# Altium PCB MP3_Player.PcbDoc (part 1 of 2)
Units mm, origin at the board's own origin, x right, y up, seen from the top; angles counter-clockwise.
Board outline 85 x 56 mm, 2 copper layers (Top Layer, Bottom Layer), stack 1.671 mm thick; 190 components, 122 nets, 601 pads, 193 vias.
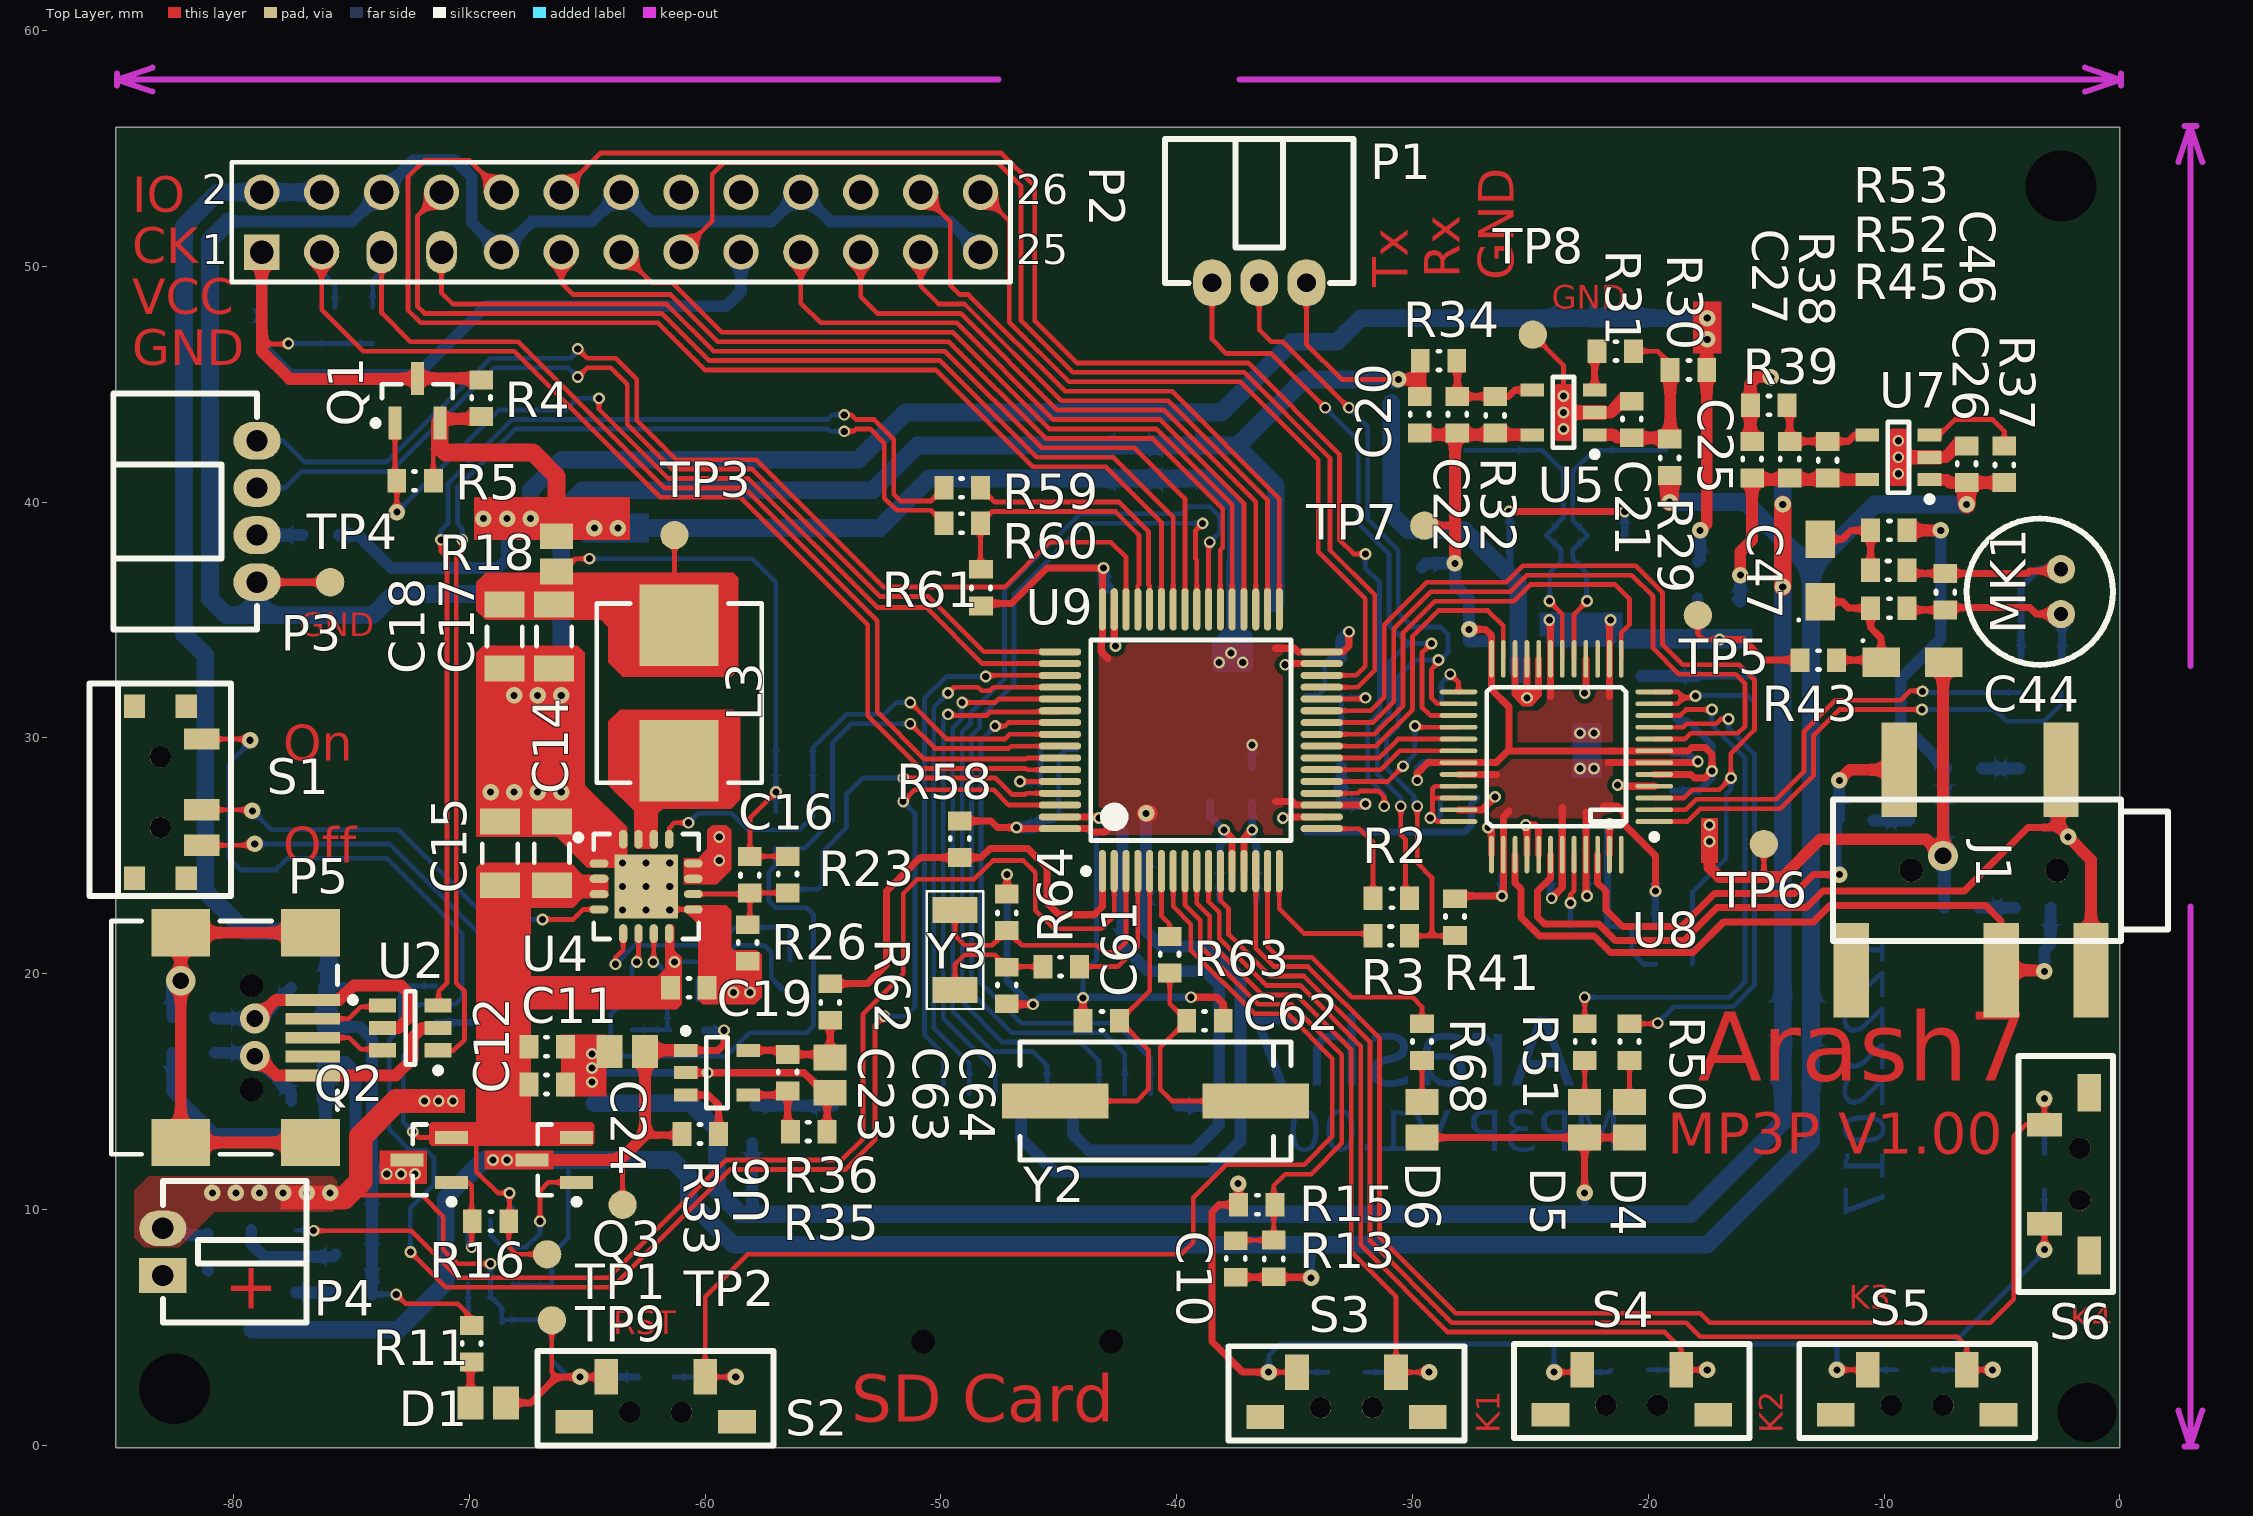
[diagram p0: Top Layer view]
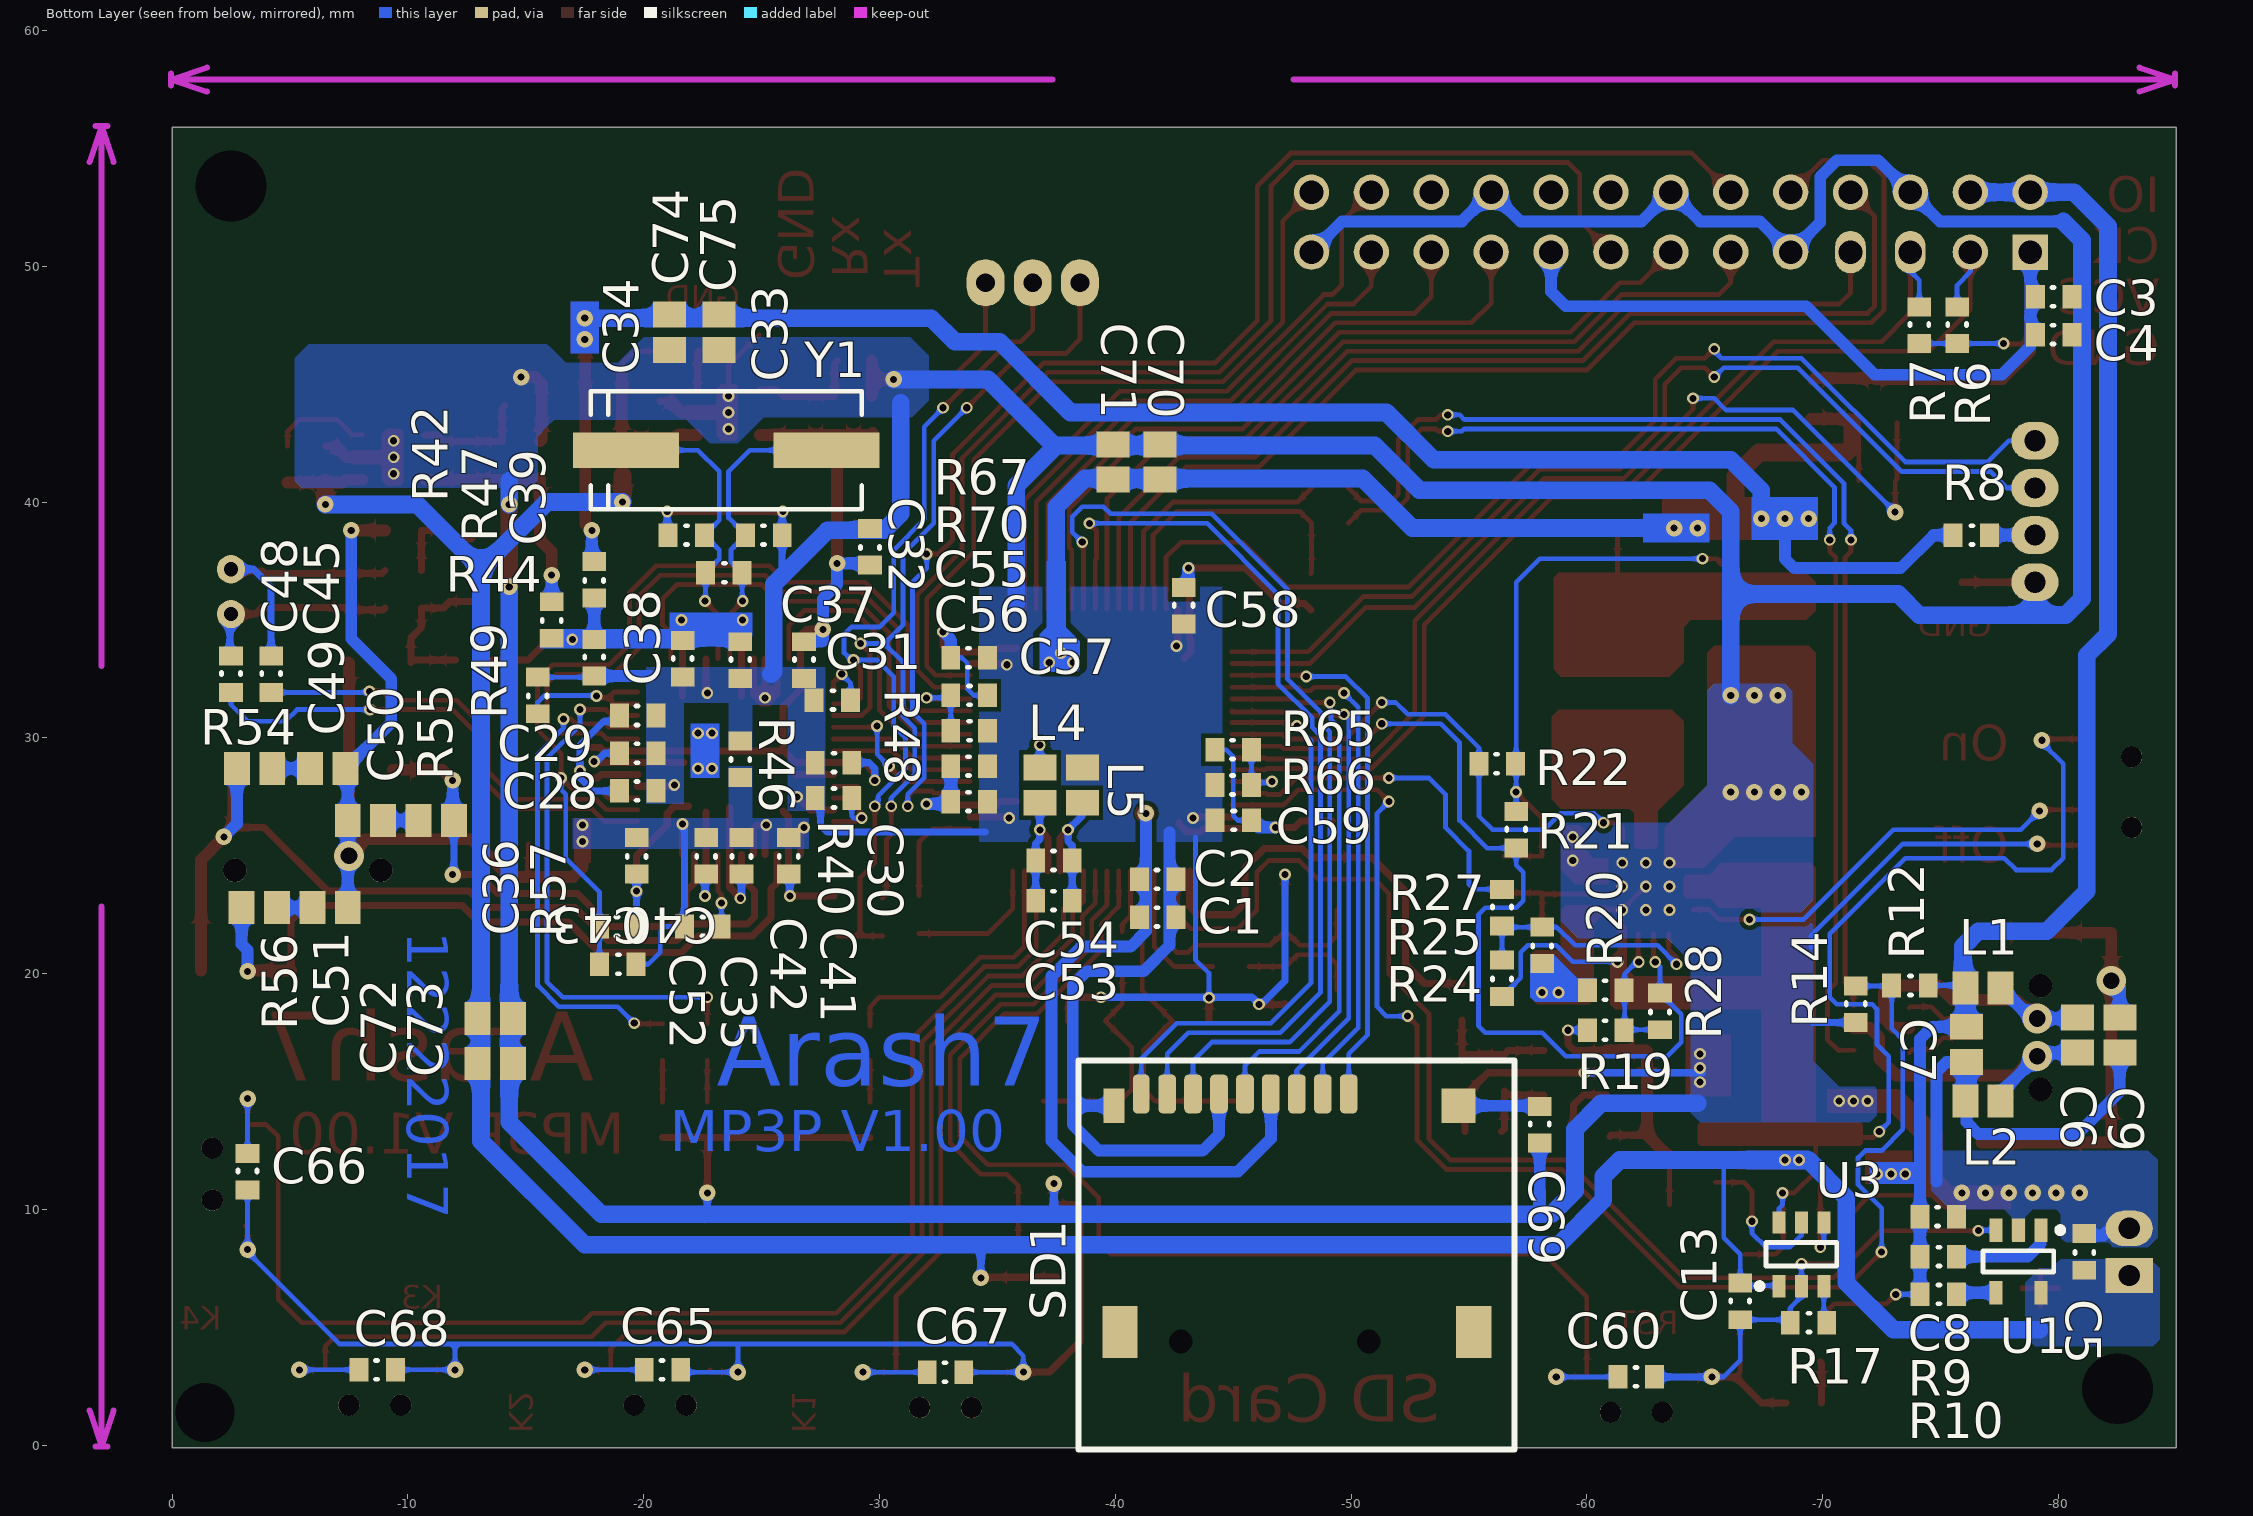
[diagram p1: Bottom Layer view, seen from below]
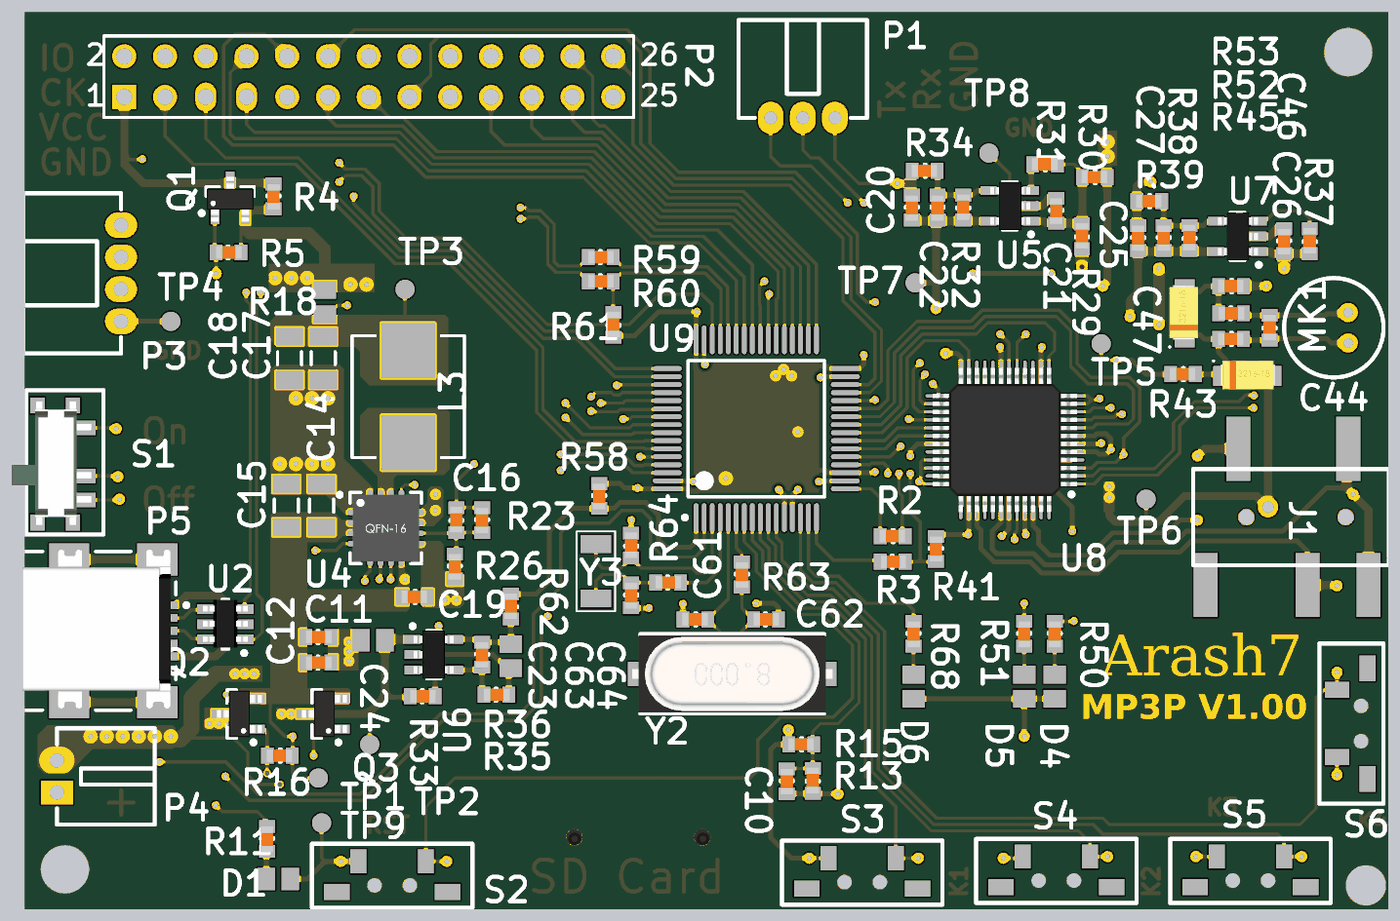
[diagram p3: 3D render of the assembled board from above, using the file's embedded part models]
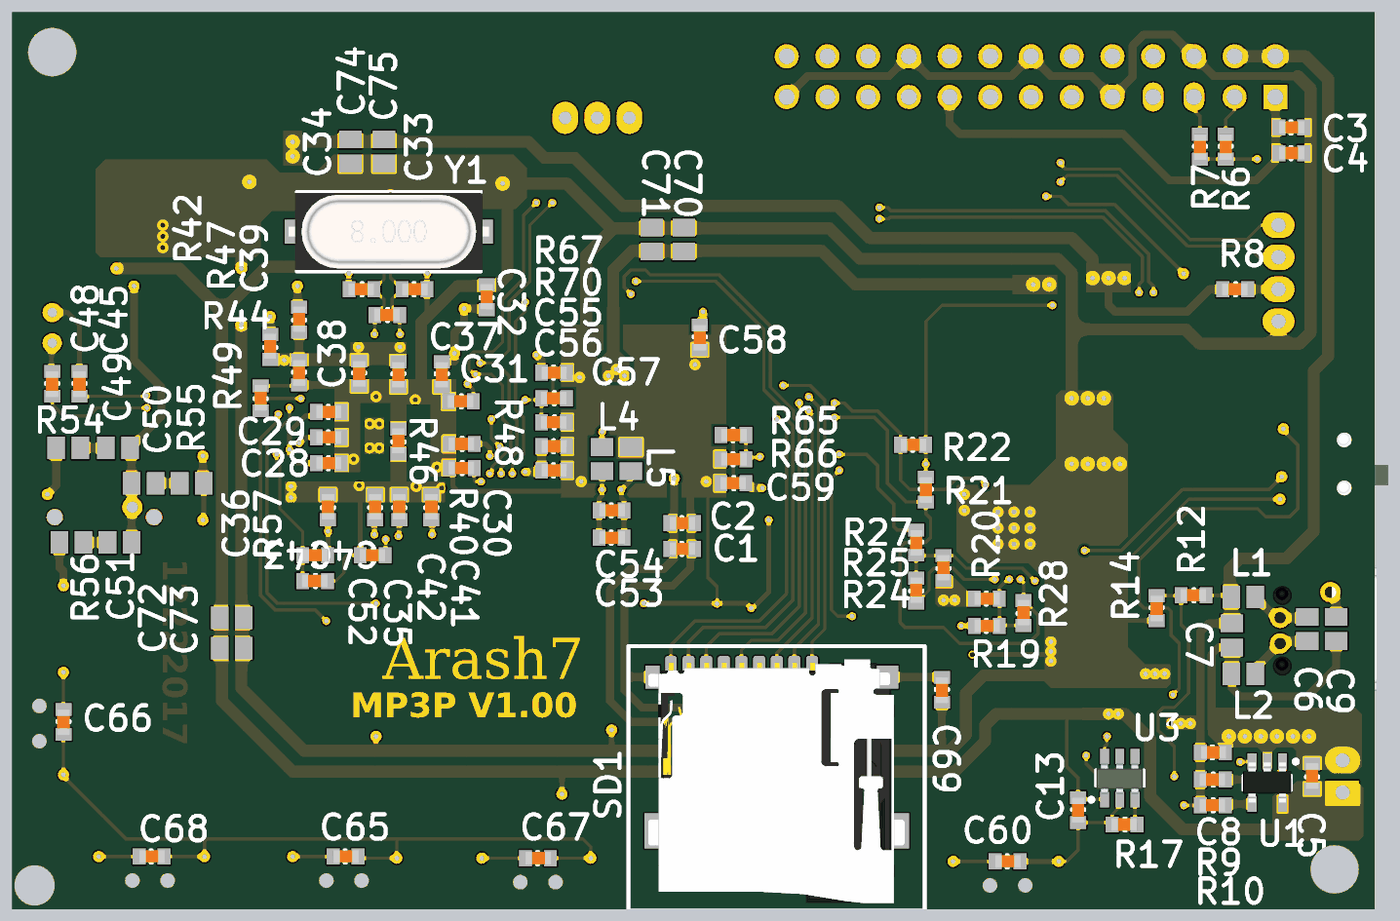
[diagram p4: 3D render of the assembled board from below, using the file's embedded part models]

## Layer stack, top to bottom
Top Solder: solder mask 0.0102, Solder Resist, Dk 3.5
Top Layer: signal copper 0.0356
Dielectric 1: dielectric 1.6, FR-4, Dk 4.8
Bottom Layer: signal copper 0.0356
Bottom Solder: solder mask 0.0102, Solder Resist, Dk 3.5

## Board outline
-85,-0.1 0,-0.1 0,55.9 -85,55.9

## Design rules (kind name [scope] priority, off if disabled: settings)
Clearance Polygon_Clearance [InPolygon] p1: gap=0.2
Clearance [All] p2: gap=0.2
DiffPairsRouting [All] p1: maxlimit=0.254 minlimit=0.254 mostfreqgap=0.2 toplayer_minwidth=0.2 toplayer_maxwidth=0.2 toplayer_prefwidth=0.2 bottomlayer_minwidth=0.2 bottomlayer_maxwidth=0.2 bottomlayer_prefwidth=0.2 maxuncoupledlength=12.7
PolygonConnect [All] p1: connectstyle=Direct reliefconductorwidth=0.254 reliefentries=4 polygonreliefangle="90 Angle" airgapwidth=0.254
RoomDefinition µC [InComponentClass('µC')] p1: confinementstyle=ConfineOut formatcopy=TRUE lockcomponents=FALSE outline 11.943,46.422 249.814,46.422 249.814,62.678 11.943,62.678
RoomDefinition VS1063 [InComponentClass('VS1063')] p2: confinementstyle=ConfineOut formatcopy=TRUE lockcomponents=FALSE outline 12,30.198 303.719,30.198 303.719,46.2 12,46.2
RoomDefinition Regulator [InComponentClass('Regulator')] p3: confinementstyle=ConfineOut formatcopy=TRUE lockcomponents=FALSE outline 11.943,12.386 260.99,12.386 260.99,30.166 11.943,30.166
RoomDefinition Power [InComponentClass('Power')] p4: confinementstyle=ConfineOut formatcopy=TRUE lockcomponents=FALSE outline 12,-2 161.606,-2 161.606,12.097 12,12.097
RoomDefinition Interfaces [InComponentClass('Interfaces')] p5: confinementstyle=ConfineOut formatcopy=TRUE lockcomponents=FALSE outline 12,-42.205 126.3,-42.205 126.3,-2.2 12,-2.2
RoutingVias [All] p1: holewidth=0.711 width=1.27 viastyle="Through Hole" minholewidth=0.711 minwidth=1.27 maxholewidth=0.711 maxwidth=1.27
SolderMaskExpansion [All] p1: expansion=0.102
Width [All] p1: maxlimit=2 minlimit=0.2 preferedwidth=0.2
29 further rules are at their usual default settings.

## Classes and differential pairs
component class µC: C53 C54 C55 C56 C57 C58 C59 C60 C61 C62 C63 C64 C65 C66 C67 C68 C70 C71 D6 L4 L5 R58 R59 R60 R61 R62 R63 R64 R65 R66 R67 R68 R70 S2 S3 S4 S5 S6 TP8 U9 Y2 Y3
component class VS1063: C28 C29 C30 C31 C32 C33 C34 C35 C36 C37 C38 C39 C40 C41 C42 C43 C44 C45 C46 C47 C48 C49 C50 C51 C52 C72 C73 C74 C75 D4 D5 MK1 R40 R41 R42 R43 R44 R45 R46 R47 R48 R49 R50 R51 R52 R53 R54 R55 R56 R57 TP5 TP6 TP7 U8 Y1
component class Regulator: C14 C15 C16 C17 C18 C19 C20 C21 C22 C23 C24 C25 C26 C27 L3 R18 R19 R20 R21 R22 R23 R24 R25 R26 R27 R28 R29 R30 R31 R32 R33 R34 R35 R36 R37 R38 R39 S1 TP3 TP4 U4 U5 U6 U7
component class Power: C5 C6 C7 C8 C9 C10 C11 C12 C13 D1 L1 L2 P4 P5 Q2 Q3 R9 R10 R11 R12 R13 R14 R15 R16 R17 TP1 TP2 TP9 U1 U2 U3
component class Interfaces: C1 C2 C3 C4 C69 J1 P1 P2 P3 Q1 R2 R3 R4 R5 R6 R7 R8 SD1
differential pair USB: +USB_P -USB_N
differential pair µC_USB: +µC_USB_P -µC_USB_N

## Components (designator, comment, footprint, x,y, rotation, side; value= is the part's Value field where it differs from the comment)
C1 "Cap" 0603PKG -41.8,22.4 r0 bottom
C2 "Cap" 0603PKG -41.8,24 r0 bottom
C3 "Cap" 0603PKG -79.8,48.7 r0 bottom
C4 "Cap" 0603PKG -79.8,47.1 r0 bottom
C5 "Cap" 0603PKG -81.1,8.2 r270 bottom
C6 "Cap" C0805 -80.8,17.4 r90 bottom
C7 "Cap" C0805 -76.1,17 r90 bottom
C8 "Cap" 0603PKG -74.9,9.7 r0 bottom
C9 "Cap" C0805 -82.6,17.4 r90 bottom
C10 "Cap Semi" 0603PKG -37.5,7.9 r90 top
C11 "Cap" 0603PKG -66.7,16.9 r180 top
C12 "Cap" 0603PKG -66.7,15.3 r180 top
C13 "Cap" 0603PKG -66.5,6.1 r90 bottom
C14 "Cap Semi" C1206 -66.5,25.1 r90 top locked
C15 "Cap Semi" C1206 -68.7,25.1 r90 top locked
C16 "Cap Semi" 0603PKG -58.1,24.2 r270 top
C17 "Cap Semi" C1206 -66.4,34.3 r270 top locked
C18 "Cap Semi" C1206 -68.5,34.3 r270 top locked
C19 "Cap Semi" 0603PKG -60.7,19.4 r0 top
C20 "Cap Semi" 0603PKG -29.7,43.7 r90 top
C21 "Cap Semi" 0603PKG -20.7,43.5 r90 top
C22 "Cap Semi" 0603PKG -28.1,43.7 r90 top
C23 "Cap Semi" C0805 -54.7,15.7 r270 top
C24 "Cap Semi" C0805 -63.3,16.7 r180 top
C25 "Cap Semi" 0603PKG -15.6,41.8 r90 top
C26 "Cap Semi" 0603PKG -6.5,41.6 r90 top
C27 "Cap Semi" 0603PKG -14,41.8 r90 top
C28 "Cap Semi" 0603PKG -19.75,27.75 r0 bottom
C29 "Cap Semi" 0603PKG -19.75,30.95 r0 bottom
C30 "Cap Semi" 0603PKG -28.05,28.95 r180 bottom
C31 "Cap Semi" 0603PKG -26.8,33.3 r90 bottom
C32 "Cap Semi" 0603PKG -29.6,38.1 r270 bottom
C33 "Cap" 0603PKG -25.1,38.6 r0 bottom
C34 "Cap" 0603PKG -21.8,38.6 r180 bottom
C35 "Cap Semi" 0603PKG -22.5,22 r180 bottom
C36 "Cap Semi" 0603PKG -19.75,29.35 r0 bottom
C37 "Cap Semi" 0603PKG -24.1,33.3 r90 bottom
C38 "Cap Semi" 0603PKG -21.65,33.35 r90 bottom
C39 "Cap Semi" 0603PKG -17.9,33.4 r90 bottom
C40 "Cap Semi" 0603PKG -22.65,25 r270 bottom
C41 "Cap Semi" 0603PKG -24.15,25 r270 bottom
C42 "Cap Semi" 0603PKG -26.15,25 r270 bottom
C43 "Cap Semi" 0603PKG -19.7,25 r270 bottom
C44 "Cap Pol3" 3216X18N -8.8,33.2 r0 top
C45 "Cap Semi" 0603PKG -2.5,32.7 r90 bottom
C46 "Cap Semi" 0603PKG -7.4,36.2 r270 top
C47 "Cap Pol3" 3216X18N -12.7,37.1 r90 top
C48 "Cap Semi" 0603PKG -4.2,32.7 r90 bottom
C49 "Cap Semi" C0805 -6.6,28.7 r180 bottom
C50 "Cap Semi" C0805 -8.2,26.5 r0 bottom
C51 "Cap Semi" C0805 -6.7,22.8 r180 bottom
C52 "Cap Semi" 0603PKG -18.9,20.4 r180 bottom
C53 "Cap Semi" 0603PKG -37.4,23.1 r0 bottom
C54 "Cap Semi" 0603PKG -37.4,24.8 r0 bottom
C55 "Cap Semi" 0603PKG -33.8,28.8 r0 bottom
C56 "Cap Semi" 0603PKG -33.8,27.3 r0 bottom
C57 "Cap Semi" 0603PKG -33.8,33.4 r0 bottom
C58 "Cap Semi" 0603PKG -42.9,35.6 r90 bottom
C59 "Cap Semi" 0603PKG -45,26.5 r180 bottom
C60 "Cap Semi" 0603PKG -62.1,2.898 r0 bottom
C61 "Cap" 0603PKG -43.2,18 r0 top
C62 "Cap" 0603PKG -38.8,18 r180 top
C63 "Cap" 0603PKG -47.2,22.6 r270 top
C64 "Cap" 0603PKG -47.2,19.5 r90 top
C65 "Cap Semi" 0603PKG -20.8,3.2 r0 bottom
C66 "Cap Semi" 0603PKG -3.2,11.6 r90 bottom
C67 "Cap Semi" 0603PKG -32.8,3.098 r0 bottom
C68 "Cap Semi" 0603PKG -8.7,3.2 r0 bottom
C69 "Cap" 0603PKG -58,13.6 r90 bottom
C70 "Cap Semi" C0805 -41.9,41.7 r270 bottom
C71 "Cap Semi" C0805 -39.9,41.7 r270 bottom
C72 "Cap Semi" C0805 -13.7,18.1 r0 bottom
C73 "Cap Semi" C0805 -13.7,16.2 r0 bottom
C74 "Cap Semi" C0805 -21.1,47.2 r90 bottom
C75 "Cap Semi" C0805 -23.2,47.2 r90 bottom
D1 "LED0" C0805 -69.2,1.8 r0 top
D4 "LED0" C0805 -20.8,13.8 r270 top
D5 "LED0" C0805 -22.7,13.8 r270 top
D6 "LED0" C0805 -29.6,13.8 r270 top
J1 "Stree audio jack" "Audio Jack" -5.5,24.4 r270 top locked
L1 "Ferrite Bead" C0805 -76.8,19.4 r0 bottom
L2 "Ferrite Bead" C0805 -76.8,14.6 r0 bottom
L3 "TMPC0603H-100MG-D" CAPM3216X18N -61.1,31.9 r90 top locked
L4 "Ferrite Bead" C0805 -36.8,28 r90 bottom
L5 "Ferrite Bead" C0805 -38.6,28 r270 bottom
MK1 "EM-6022P" Microphone -3.4,36.2 r90 top
P1 "VS_UART" XH_3Pin_RA -36.5,49.3 r180 top
P2 "Rpi" HDR2X13 -78.8,50.6 r0 top locked
P3 "SWI" XH_4Pin_RA -79,39.6 r270 top
P4 "Header 2" XH_2Pin_RA -83,8.2 r90 top locked
P5 "USB Serial" "Mini USB" -80,17.5 r180 top locked
Q1 "IRLML6401" SOT23 -72.2,44.3 r90 top
Q2 "IRLML6401" SOT23 -71.7,12.1 r180 top
Q3 "IRLML6401" SOT23 -66.4,12.1 r180 top
R2 "Res1" 0603PKG -30.9,23.2 r0 top
R3 "Res1" 0603PKG -30.9,21.6 r180 top
R4 "Res1" 0603PKG -69.5,44.4 r90 top
R5 "Res1" 0603PKG -72.3,40.9 r180 top
R6 "Res1" 0603PKG -75.7,47.5 r90 bottom
R7 "Res1" 0603PKG -74.1,47.5 r90 bottom
R8 "Res1" 0603PKG -76.3,38.6 r180 bottom
R9 "Res Semi" 0603PKG -74.9,8 r180 bottom
R10 "Res Semi" 0603PKG -74.9,6.4 r180 bottom
R11 "Res Semi" 0603PKG -69.9,4.3 r90 top
R12 "Res Semi" 0603PKG -73.7,19.5 r180 bottom
R13 "Res Semi" 0603PKG -35.883,7.925 r270 top
R14 "Res Semi" 0603PKG -71.4,18.7 r90 bottom
R15 "Res Semi" 0603PKG -36.6,10.2 r0 top
R16 "Res Semi" 0603PKG -69.1,9.5 r0 top
R17 "Res Semi" 0603PKG -69.4,5.2 r180 bottom
R18 "Res1" C0805 -66.3,37.8 r270 top
R19 "Res1" 0603PKG -60.8,17.6 r0 bottom
R20 "Res1" 0603PKG -60.8,19.3 r0 bottom
R21 "Res1" 0603PKG -57,26.1 r90 bottom
R22 "Res1" 0603PKG -56.2,28.9 r0 bottom
R23 "Res1" 0603PKG -56.5,24.2 r90 top
R24 "Res1" 0603PKG -56.4,19.8 r270 bottom
R25 "Res1" 0603PKG -58.1,21.2 r270 bottom
R26 "Res1" 0603PKG -58.2,21.3 r90 top
R27 "Res1" 0603PKG -56.4,22.8 r90 bottom
R28 "Res1" 0603PKG -63.1,18.4 r270 bottom
R29 "Res1" 0603PKG -19.1,41.9 r270 top
R30 "Res1" 0603PKG -18.3,45.6 r0 top
R31 "Res1" 0603PKG -21.4,46.4 r0 top
R32 "Res1" 0603PKG -26.5,43.7 r270 top
R33 "Res1" 0603PKG -60.2,13.2 r180 top
R34 "Res1" 0603PKG -28.9,46 r0 top
R35 "Res1" 0603PKG -56.5,15.8 r90 top
R36 "Res1" 0603PKG -55.6,13.3 r180 top
R37 "Res1" 0603PKG -4.9,41.6 r270 top
R38 "Res1" 0603PKG -12.4,41.8 r270 top
R39 "Res1" 0603PKG -14.9,44.1 r0 top
R40 "Res1" 0603PKG -28.05,27.45 r180 bottom
R41 "Res1" 0603PKG -28.2,22.4 r90 top
R42 "Res1" 0603PKG -23.4,37 r180 bottom
R43 "Res1" 0603PKG -12.8,33.3 r0 top
R44 "Res1" 0603PKG -16.1,35 r270 bottom
R45 "Res1" 0603PKG -9.8,35.5 r0 top
R46 "Res1" 0603PKG -24.1,29.1 r270 bottom
R47 "Res1" 0603PKG -17.9,36.7 r270 bottom
R48 "Res1" 0603PKG -28,31.6 r180 bottom
R49 "Res1" 0603PKG -15.5,31.8 r270 bottom